# Altium PCB roach2.PcbDoc (part 35 of 39)
Units mil, origin at the board's own origin, x right, y up, seen from the top; angles counter-clockwise.
Board outline 12007.87 x 9606.3 mil, 16 copper layers (L1_TOP, L2_G, L3_S, L4_G, L5_S, L6_P, L7_G, L8_R, L9_R, L10_P, L11_P, L12_S, L13_P, L14_S, L15_G, L16_BOT), stack 81.651 mil thick; 1608 components, 1934 nets, 9335 pads, 6759 vias.
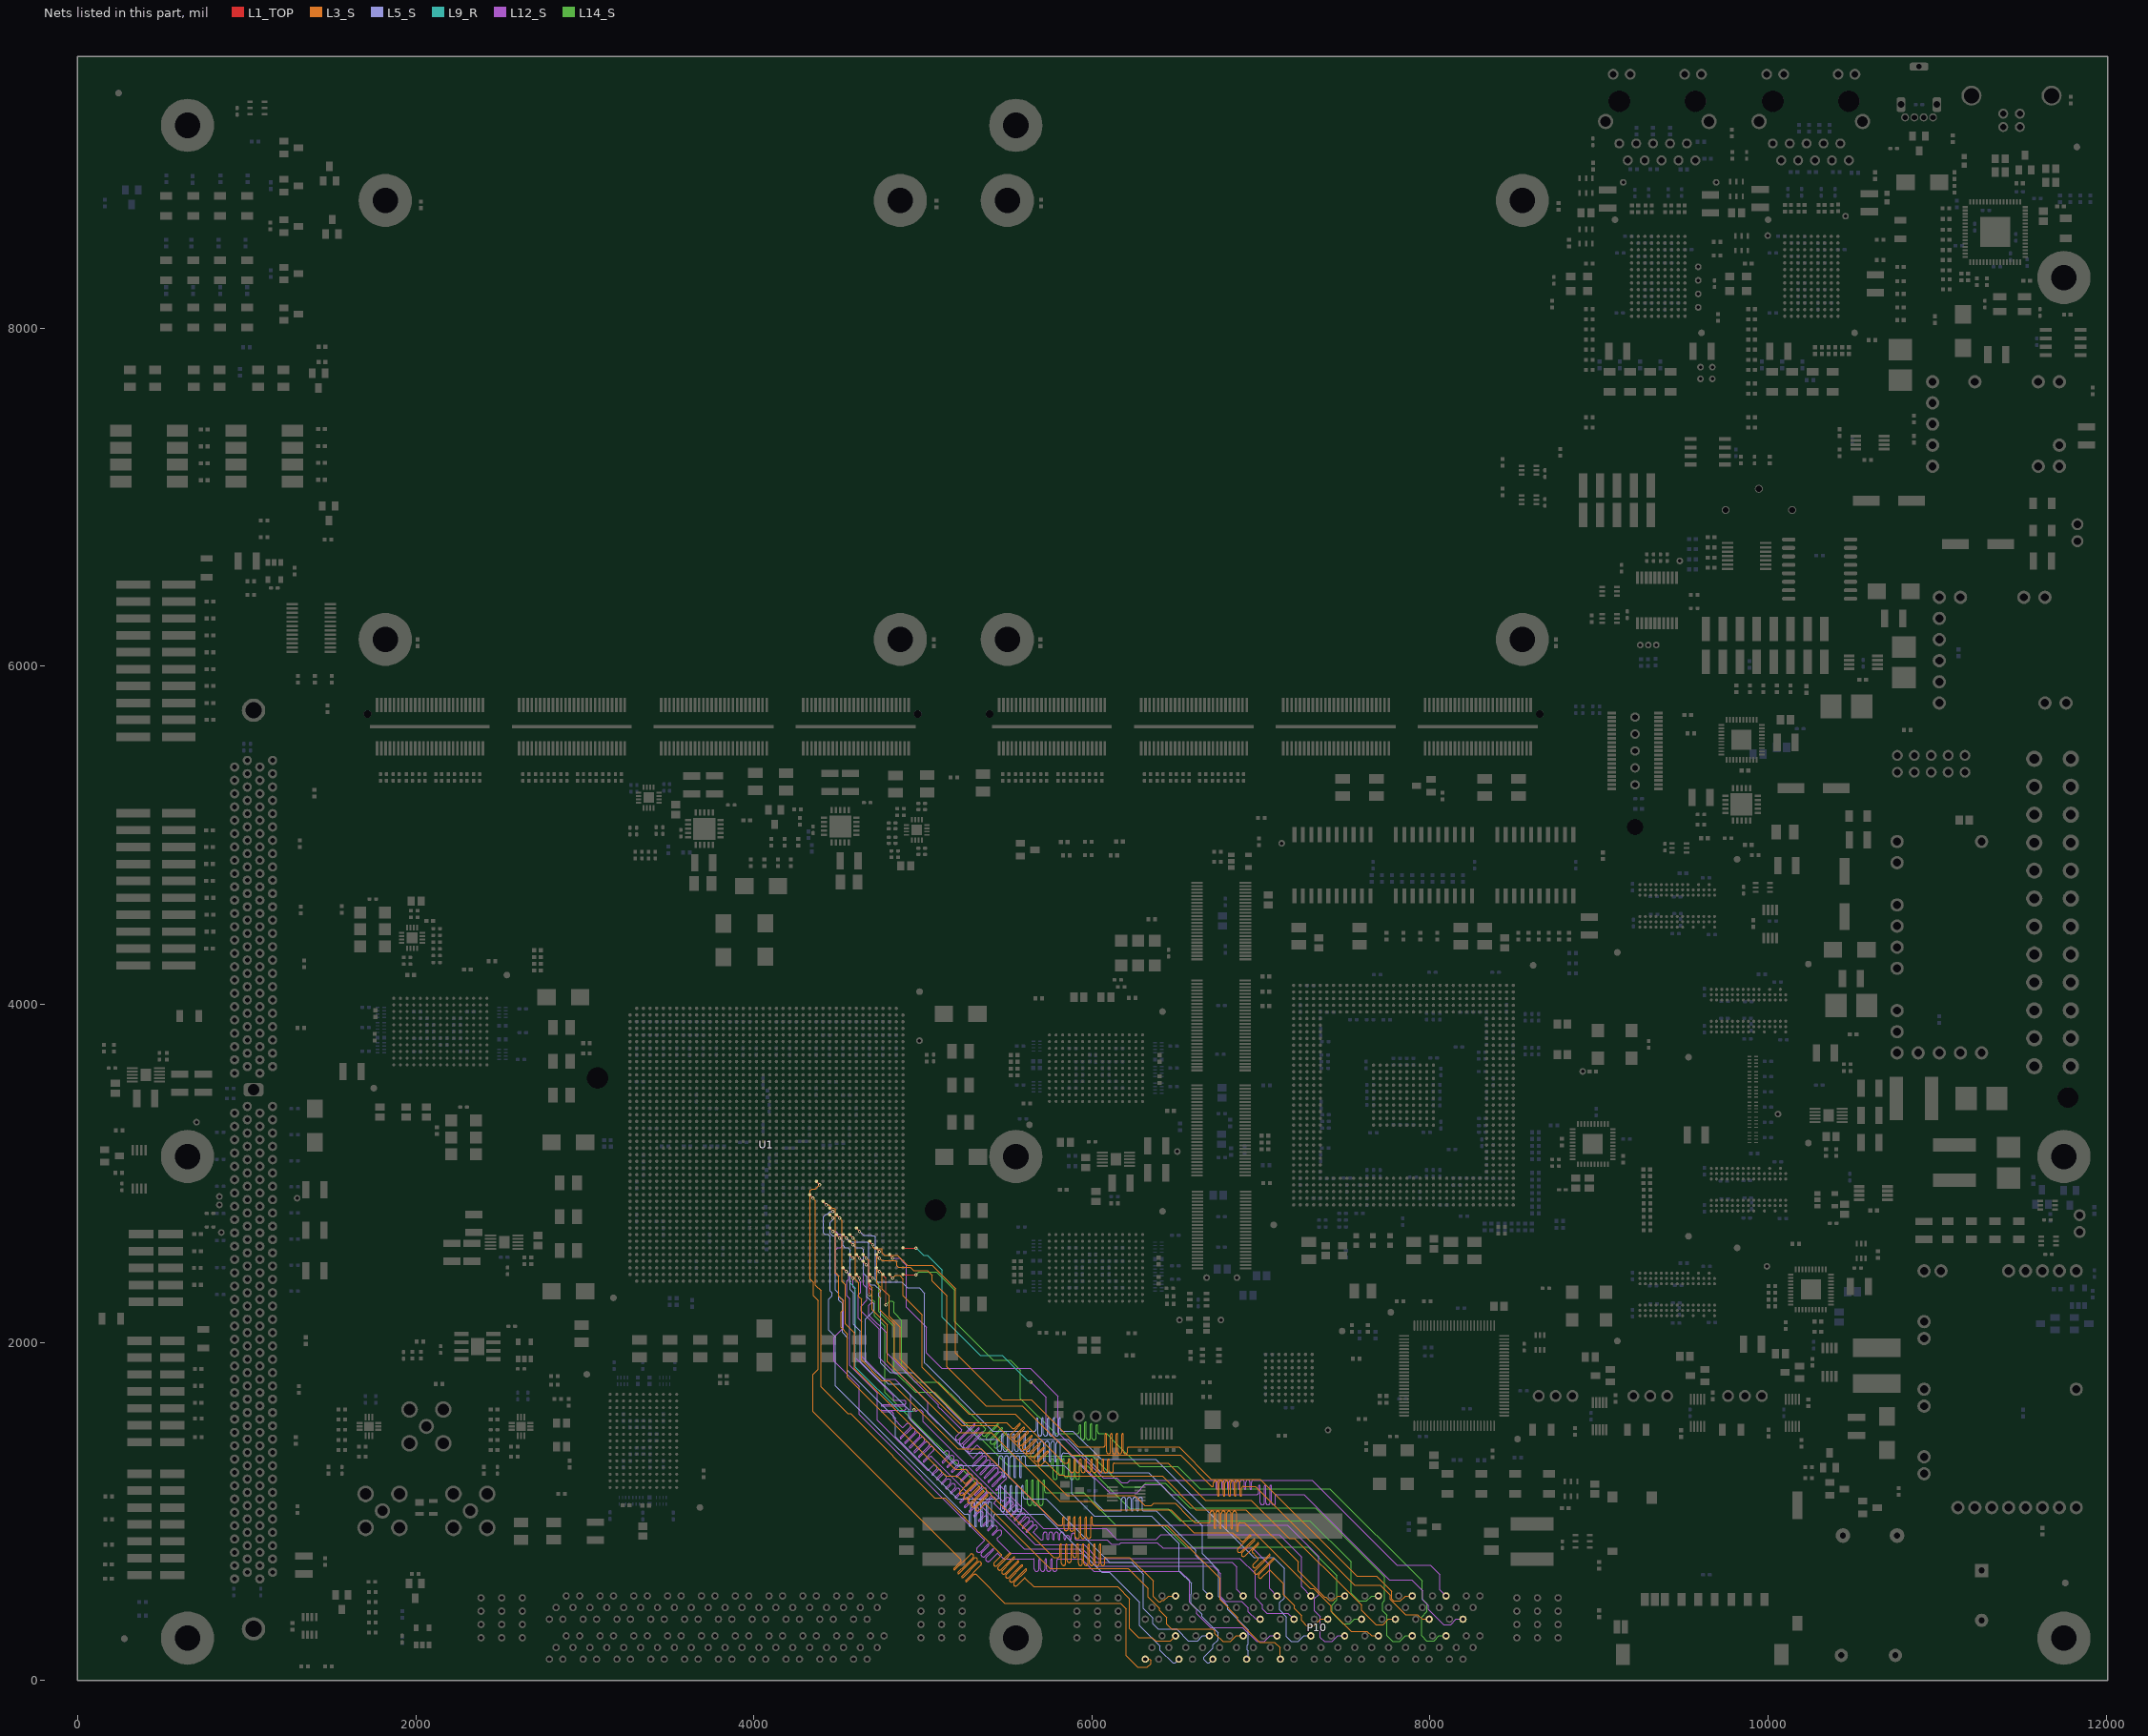
[diagram p49: the nets of this part, all layers, seen from the top]

## Via types
v1: diameter 19.4, hole 10, L1_TOP to L16_BOT, tented both sides, 3354 vias
v2: diameter 19.4, hole 10, L1_TOP to L16_BOT, 1884 vias
v3: diameter 19.4, hole 10, L1_TOP to L16_BOT, tented top, 410 vias
v4: diameter 18.6, hole 10, L1_TOP to L16_BOT, tented both sides, 311 vias
v5: diameter 59.06, hole 39.37, L1_TOP to L16_BOT, 217 vias
v6: diameter 19, hole 10, L1_TOP to L16_BOT, 198 vias
v7: diameter 19.4, hole 10.04, L1_TOP to L16_BOT, 125 vias
v8: diameter 19.4, hole 10, L1_TOP to L16_BOT, tented bottom, 80 vias
v9: diameter 25.98, hole 12.99, L1_TOP to L16_BOT, tented top, 59 vias
v10: diameter 20, hole 10, L1_TOP to L16_BOT, 52 vias
v11: diameter 59.06, hole 39.37, L1_TOP to L16_BOT, tented top, 44 vias
v12: diameter 20, hole 10, L1_TOP to L16_BOT, tented top, 16 vias
v13: diameter 19, hole 10, L1_TOP to L16_BOT, tented top, 5 vias
v14: diameter 50, hole 28, L1_TOP to L16_BOT, 4 vias

## Nets (pads, with @x,y where several pads share a name; then routed paths per layer and width w, separated by ;. In a path a pad name is that pad's centre, name@x,y a point inside that pad or via, vN(x,y) a via of type N, cw(c..) or ccw(c..) an arc to the next point about the centre after c; other vN are vias at no path point) (continued)
ZDOK0.DP_N13: P10.D8 U1.K40 | length 5230.6
  L1_TOP w5: U1.K40@4526.66,2439.41 v1(4546.35,2419.72)
  L12_S w3.8: v1(4546.35,2419.72) 4561.95,2404.12 4561.95,2373.89 4550.43,2362.38 4550.43,2275.47 4565.99,2259.91 4565.99,1864.99 4731.78,1699.21 4731.78,1539.21 5026.75,1244.23 ccw(c5029.86,1247.34) 5032.97,1244.23 5057.96,1269.22 cw(c5068.57,1258.61) 5083.58,1258.61 cw(c5068.57,1258.61) 5079.18,1247.99 5054.2,1223.01 ccw(c5057.31,1219.9) 5054.2,1216.79 ccw(c5057.31,1219.9) 5060.42,1216.79 5085.4,1241.77 cw(c5096.01,1231.16) 5111.02,1231.16 cw(c5096.01,1231.16) 5106.63,1220.55 5081.64,1195.56 ccw(c5084.75,1192.45) 5081.64,1189.34 ccw(c5084.75,1192.45) 5087.86,1189.34 5112.85,1214.33 cw(c5123.46,1203.72) 5138.47,1203.72 cw(c5123.46,1203.72) 5134.07,1193.1 5109.09,1168.12 ccw(c5112.2,1165.01) 5109.09,1161.9 ccw(c5112.2,1165.01) 5115.31,1161.9 5140.29,1186.88 cw(c5150.9,1176.27) 5165.91,1176.27 cw(c5150.9,1176.27) 5161.52,1165.66 5136.53,1140.67 ccw(c5139.64,1137.56) 5136.53,1134.45 ccw(c5139.64,1137.56) 5142.75,1134.45 5167.74,1159.44 cw(c5178.35,1148.83) 5193.36,1148.83 cw(c5178.35,1148.83) 5188.96,1138.21 5163.98,1113.23 ccw(c5167.09,1110.12) 5163.98,1107.01 ccw(c5167.09,1110.12) 5170.2,1107.01 5195.18,1131.99 cw(c5205.8,1121.38) 5220.8,1121.38 cw(c5205.8,1121.38) 5216.41,1110.77 5191.42,1085.78 ccw(c5194.53,1082.67) 5191.42,1079.56 ccw(c5194.53,1082.67) 5197.64,1079.56 5222.63,1104.55 cw(c5233.24,1093.93) 5248.25,1093.93 cw(c5233.24,1093.93) 5243.85,1083.32 5218.87,1058.34 ccw(c5221.98,1055.23) 5218.87,1052.12 ccw(c5221.98,1055.23) 5225.09,1052.12 5250.07,1077.1 cw(c5260.69,1066.49) 5275.69,1066.49 cw(c5260.69,1066.49) 5271.3,1055.88 5246.31,1030.89 ccw(c5249.42,1027.78) 5246.31,1024.67 ccw(c5249.42,1027.78) 5252.53,1024.67 5277.52,1049.66 cw(c5288.13,1039.04) 5303.14,1039.04 cw(c5288.13,1039.04) 5298.74,1028.43 5273.76,1003.45 ccw(c5276.87,1000.34) 5273.76,997.23 ccw(c5276.87,1000.34) 5279.98,997.23 5304.96,1022.21 cw(c5315.58,1011.6) 5330.58,1011.6 cw(c5315.58,1011.6) 5326.19,1000.99 5301.2,976 ccw(c5304.31,972.89) 5301.2,969.78 ccw(c5304.31,972.89) 5307.42,969.78 5332.41,994.77 cw(c5343.02,984.15) 5358.03,984.15 cw(c5343.02,984.15) 5353.63,973.54 5328.65,948.56 ccw(c5331.76,945.45) 5328.65,942.34 ccw(c5331.76,945.45) 5334.87,942.34 5359.85,967.32 cw(c5370.47,956.71) 5385.47,956.71 cw(c5370.47,956.71) 5381.08,946.1 5356.09,921.11 ccw(c5359.2,918) 5356.09,914.89 ccw(c5359.2,918) 5362.32,914.89 5387.3,939.88 cw(c5397.91,929.26) 5412.92,929.26 cw(c5397.91,929.26) 5408.52,918.65 5383.54,893.67 ccw(c5386.65,890.56) 5383.54,887.45 ccw(c5386.65,890.56) 5389.76,887.45 5414.74,912.43 cw(c5425.36,901.82) 5440.36,901.82 cw(c5425.36,901.82) 5435.97,891.21 5410.98,866.22 ccw(c5414.09,863.11) 5410.98,860 ccw(c5414.09,863.11) 5417.21,860 5442.19,884.99 cw(c5452.8,874.37) 5467.81,874.37 cw(c5452.8,874.37) 5463.41,863.76 5438.43,838.78 ccw(c5441.54,835.67) 5438.43,832.56 5517.99,752.99 5941.22,752.99 6018.42,675.79 6716.22,675.79 6760.79,631.22 6760.79,496.22 6789.02,467.99 6886.22,467.99 6925.79,428.42 6925.79,405.19 6968.78,362.2 P10.D8@6995.12,362.2
ZDOK0.DP_N14: P10.D10 U1.H41 | length 5239.4
  L1_TOP w5: U1.H41@4605.4,2400.04 v1(4625.09,2380.35)
  L12_S w3.8: v1(4625.09,2380.35) 4625.09,2362.4 4631.99,2355.49 4631.99,2294.99 4616.99,2279.99 4616.99,2141.99 4636.99,2121.99 4636.99,1917.99 4771.99,1782.99 4833.99,1782.99 4927.28,1689.71 4927.28,1538.71 5118.98,1347 ccw(c5122.09,1350.12) 5125.2,1347 5132.19,1353.99 cw(c5142.8,1343.38) 5157.81,1343.38 cw(c5142.8,1343.38) 5153.41,1332.77 5115.2,1294.56 ccw(c5118.31,1291.45) 5121.42,1288.34 5159.63,1326.55 cw(c5170.24,1315.93) 5185.25,1315.93 cw(c5170.24,1315.93) 5180.86,1305.32 5142.65,1267.11 ccw(c5145.76,1264) 5148.87,1260.89 5187.08,1299.1 cw(c5197.69,1288.49) 5212.7,1288.49 cw(c5197.69,1288.49) 5208.3,1277.88 5170.09,1239.67 ccw(c5173.2,1236.56) 5176.31,1233.45 5214.52,1271.66 cw(c5225.13,1261.04) 5240.14,1261.04 cw(c5225.13,1261.04) 5235.75,1250.43 5197.54,1212.22 ccw(c5200.65,1209.11) 5203.76,1206 5241.97,1244.21 cw(c5252.58,1233.6) 5267.59,1233.6 cw(c5252.58,1233.6) 5263.19,1222.99 5224.98,1184.78 ccw(c5228.09,1181.67) 5231.2,1178.56 5269.41,1216.77 cw(c5280.02,1206.15) 5295.03,1206.15 cw(c5280.02,1206.15) 5290.64,1195.54 5252.43,1157.33 ccw(c5255.54,1154.22) 5258.65,1151.11 5296.86,1189.32 cw(c5307.47,1178.71) 5322.48,1178.71 cw(c5307.47,1178.71) 5318.08,1168.1 5279.87,1129.89 ccw(c5282.98,1126.78) 5286.09,1123.67 5324.3,1161.88 cw(c5334.91,1151.26) 5349.92,1151.26 cw(c5334.91,1151.26) 5345.53,1140.65 5307.32,1102.44 ccw(c5310.43,1099.33) 5313.54,1096.22 5351.75,1134.43 cw(c5362.36,1123.82) 5377.37,1123.82 cw(c5362.36,1123.82) 5372.97,1113.21 5334.76,1075 ccw(c5337.87,1071.89) 5340.98,1068.78 5379.19,1106.99 cw(c5389.81,1096.37) 5404.81,1096.37 cw(c5389.81,1096.37) 5400.42,1085.76 5362.21,1047.55 ccw(c5365.32,1044.44) 5368.43,1041.33 5406.64,1079.54 cw(c5417.25,1068.93) 5432.26,1068.93 cw(c5417.25,1068.93) 5427.86,1058.32 5420.88,1051.33 ccw(c5423.99,1048.22) 5420.88,1045.11 5662.99,802.99 5954.02,802.99 6034.02,722.99 6874.02,722.99 6965.79,631.22 6965.79,490.19 7010.28,445.71 7010.28,421.74 7033.51,398.51 7158.81,398.51 P10.D10@7195.12,362.2
ZDOK0.DP_N15: P10.D12 U1.G38 | length 5253.5
  L1_TOP w5: U1.G38@4644.77,2518.15 v1(4664.46,2498.46)
  L3_S w3.8: v1(4664.46,2498.46) 4664.96,2498.46 4680.43,2482.99 4680.43,2343.53 4700.11,2323.84 4700.11,2193.84 4789.19,2104.76 4789.19,1886.76 5210.76,1465.19 5405.79,1465.19 5810.79,1060.19 5816.13,1060.19 5816.53,1060.59 5829.45,1060.59 5829.85,1060.19 5992.99,1060.19 6045.19,1007.99 6467.99,1007.99 6602.99,872.99 6832.99,872.99 6881.21,824.77 ; 6881.22,824.77 ccw(c6889.85,833.39) 6898.47,824.77 6933.07,859.36 cw(c6936.18,856.25) 6939.28,859.38 ; 6887.42,754.31 ccw(c6896.04,745.69) 6887.42,737.06 ccw(c6896.04,745.69) 6904.67,737.06 6980.02,812.42 cw(c6983.13,809.3) 6986.25,812.42 cw(c6983.13,809.3) 6987.53,809.3 cw(c6983.13,809.3) 6986.25,806.19 6951.65,771.6 ccw(c6960.27,762.97) 6951.65,754.34 6967.99,737.99 6972.09,733.9 6977.96,728.03 ; 6887.42,754.32 6962.77,829.66 ; 6939.3,859.37 cw(c6936.18,856.25) 6940.58,856.25 cw(c6936.18,856.25) 6939.3,853.14 6863.94,777.79 ccw(c6872.57,769.16) 6863.94,760.54 ccw(c6872.57,769.16) 6881.19,760.54 6956.55,835.89 cw(c6959.66,832.78) 6962.77,835.89 cw(c6959.66,832.78) 6964.06,832.78 cw(c6959.66,832.78) 6962.77,829.67 ; 6972.07,669.66 cw(c6963.44,678.29) 6954.81,669.66 cw(c6963.44,678.29) 6954.81,686.92 6983.83,715.93 ccw(c6980.72,719.04) 6985.12,719.04 ccw(c6980.72,719.04) 6983.83,722.15 6977.97,728.02 ; 6972.07,669.67 7047.42,745.02 cw(c7050.53,741.91) 7053.64,745.02 cw(c7050.53,741.91) 7054.93,741.91 cw(c7050.53,741.91) 7053.64,738.79 6963.71,648.86 ccw(c6972.33,640.23) 6963.71,631.6 ccw(c6972.33,640.23) 6980.96,631.6 7070.9,721.54 cw(c7074.01,718.43) 7077.12,721.54 cw(c7074.01,718.43) 7078.41,718.43 cw(c7074.01,718.43) 7077.12,715.32 ; 7077.11,715.31 6987.18,625.38 ccw(c6995.81,616.76) 6987.18,608.13 ccw(c6995.81,616.76) 7004.43,608.13 7048.03,651.73 cw(c7051.14,648.62) 7054.26,651.73 7132.99,572.99 7132.99,507.99 7197.99,442.99 7197.99,425.19 7240.19,382.99 7240.19,354.76 7269.76,325.19 7317.15,325.19 7354.16,362.2 P10.D12@7395.12,362.2
ZDOK0.DP_N16: P10.D14 U1.F42 | length 5257.7
  L1_TOP w5: v2(4684.14,2281.93) U1.F42@4684.14,2360.67
  L14_S w3.8: v2@4685.04,2283.46 4700.99,2267.51 4700.99,2252.96 4712.99,2240.96 4712.99,2157.96 4776.19,2094.76 4776.19,1703.76 5369.76,1110.19 5598.99,1110.19 ccw(c5598.99,1122.39) 5611.19,1122.39 5611.19,1180.7 cw(c5615.59,1180.7) 5619.99,1180.7 5619.99,1047.49 ccw(c5632.19,1047.49) 5644.39,1047.49 5644.39,1180.7 cw(c5648.79,1180.7) 5653.19,1180.7 5653.19,1047.49 ccw(c5665.39,1047.49) 5677.59,1047.49 5677.59,1180.7 cw(c5681.99,1180.7) 5686.39,1180.7 5686.39,1047.49 ccw(c5698.59,1047.49) 5710.79,1047.49 5710.79,1180.7 cw(c5715.19,1180.7) 5719.59,1180.7 5719.59,1122.39 ccw(c5731.79,1122.39) 5731.79,1110.19 5950.79,1110.19 6140.79,920.19 6425.79,920.19 6555.79,790.19 7280.79,790.19 7450.19,620.79 7450.19,476.33 7419.61,445.75 7419.61,400.35 7484.76,335.19 7503.24,335.19 7503.78,334.65 7526.61,334.65 7554.16,362.2 P10.D14@7595.12,362.2
ZDOK0.DP_N17: P10.D16 U1.C41 | length 5269.2
  L1_TOP w5: U1.C41@4802.25,2400.04 v1(4821.94,2380.35)
  L3_S w3.8: v1@4822.84,2381.89 4836.94,2395.99 4861.99,2395.99 4883.99,2373.99 4883.99,2275.99 4995.99,2163.99 4995.99,1851.96 5272.76,1575.19 5545.79,1575.19 5835.79,1285.19 5848.99,1285.19 ccw(c5848.99,1297.39) 5861.19,1297.39 5861.19,1303.99 cw(c5865.59,1303.99) 5869.99,1303.99 5869.99,1241.99 ccw(c5882.19,1241.99) 5894.39,1241.99 5894.39,1303.99 cw(c5898.79,1303.99) 5903.19,1303.99 5903.19,1241.99 ccw(c5915.39,1241.99) 5927.59,1241.99 5927.59,1303.99 cw(c5931.99,1303.99) 5936.39,1303.99 5936.39,1241.99 ccw(c5948.59,1241.99) 5960.79,1241.99 5960.79,1303.99 cw(c5965.19,1303.99) 5969.59,1303.99 5969.59,1241.99 ccw(c5981.79,1241.99) 5993.99,1241.99 5993.99,1303.99 cw(c5998.39,1303.99) 6002.79,1303.99 6002.79,1241.99 ccw(c6014.99,1241.99) 6027.19,1241.99 6027.19,1303.99 cw(c6031.59,1303.99) 6035.99,1303.99 6035.99,1241.99 ccw(c6048.19,1241.99) 6060.39,1241.99 6060.39,1303.99 cw(c6064.79,1303.99) 6069.19,1303.99 6069.19,1241.99 ccw(c6081.39,1241.99) 6093.59,1241.99 6093.59,1303.99 cw(c6097.99,1303.99) 6102.39,1303.99 6102.39,1241.99 ccw(c6114.59,1241.99) 6126.79,1241.99 6126.79,1280.79 cw(c6131.19,1280.79) 6131.19,1285.19 6450.79,1285.19 6670.79,1065.19 6942.99,1065.19 7167.56,840.62 7199.33,840.62 7522.48,517.48 7595.19,444.76 7595.19,414.76 7679.76,330.19 7722.15,330.19 7754.16,362.2 P10.D16@7795.12,362.2
ZDOK0.DP_N18: P10.D18 U1.E38 | length 5271.1
  L1_TOP w5: U1.E38@4723.51,2518.15 v1(4743.2,2498.46)
  L3_S w3.8: v1(4743.2,2498.46) 4758.8,2482.86 4839.12,2482.86 4845.49,2476.49 4845.49,2462.71 4845.71,2462.49 4845.71,2452.63 4854.85,2443.49 4924.45,2443.49 4944.13,2423.81 5028.18,2423.81 5055.22,2396.76 5055.22,2363.99 5143.79,2275.42 5143.79,1854.19 5374.99,1622.99 5589.02,1622.99 5879.02,1332.99 6524.02,1332.99 6708.51,1148.51 6714.99,1148.51 ccw(c6714.99,1152.91) 6719.39,1152.91 6719.39,1167.8 cw(c6731.59,1167.8) 6743.79,1167.8 6743.79,1095.38 ccw(c6748.19,1095.38) 6752.59,1095.38 6752.59,1167.8 cw(c6764.79,1167.8) 6776.99,1167.8 6776.99,1095.38 ccw(c6781.39,1095.38) 6785.79,1095.38 6785.79,1167.8 cw(c6797.99,1167.8) 6810.19,1167.8 6810.19,1095.38 ccw(c6814.59,1095.38) 6818.99,1095.38 6818.99,1167.8 cw(c6831.19,1167.8) 6843.39,1167.8 6843.39,1095.38 ccw(c6847.79,1095.38) 6852.19,1095.38 6852.19,1167.8 cw(c6864.39,1167.8) 6876.59,1167.8 6876.59,1095.38 ccw(c6880.99,1095.38) 6885.39,1095.38 6885.39,1136.31 cw(c6897.59,1136.31) 6897.59,1148.51 6967.48,1148.51 6972.71,1143.27 ; 6972.72,1143.26 7036.03,1079.96 7552.99,562.99 7706.22,562.99 7765.79,503.42 7765.79,477.99 7854.03,389.76 7926.61,389.76 7954.16,362.2 P10.D18@7995.12,362.2
ZDOK0.DP_N19: P10.D20 U1.A37 | length 5248.2
  L1_TOP w5: U1.A37@4880.99,2557.52 4881.89,2557.52 v2(4959.73,2557.52)
  L9_R w3.8: v2@4960.63,2559.06 4960.95,2558.74 5003.78,2515.91 5026.62,2515.91 5113.99,2428.53 5113.99,2147.76 5339.56,1922.19 5469.76,1922.19 5618.96,1772.99 5630.19,1772.99 v2(5637.99,1765.19)
  L12_S w3.8: v2(5637.99,1765.19) 5727.99,1675.19 5727.99,1486.96 6104.76,1110.19 6266.22,1110.19 6313.99,1157.96 6408.02,1157.96 6465.79,1100.19 6974.99,1100.19 ccw(c6974.99,1112.39) 6987.19,1112.39 6987.19,1149.29 cw(c6991.59,1149.29) 6995.99,1149.29 6995.99,1051.18 ccw(c7008.19,1051.18) 7020.39,1051.18 7020.39,1149.29 cw(c7024.79,1149.29) 7029.19,1149.29 7029.19,1051.18 ccw(c7041.39,1051.18) 7053.59,1051.18 7053.59,1149.29 cw(c7057.99,1149.29) 7062.39,1149.29 7062.39,1051.18 ccw(c7074.59,1051.18) 7086.79,1051.18 7086.79,1095.79 cw(c7091.19,1095.79) 7091.19,1100.19 7255.79,1100.19 7760.79,595.19 7892.99,595.19 7957.99,530.19 7957.99,475.19 7990.19,442.99 7990.19,419.76 8079.76,330.19 8122.15,330.19 8154.16,362.2 P10.D20@8195.12,362.2
ZDOK0.DP_N20: P10.C2 U1.R29 | length 5265.7
  L1_TOP w5: U1.R29@4329.81,2872.48 v1(4349.5,2852.79)
  L3_S w3.8: v1(4349.5,2852.79) 4365.47,2836.82 4365.47,2338.49 4397.19,2306.76 4397.19,1736.76 4555.76,1578.19 4571.76,1578.19 5069.76,1080.19 5129.76,1080.19 5376.97,832.98 5464.64,745.31 cw(c5461.53,742.2) 5465.93,742.2 cw(c5461.53,742.2) 5464.64,739.09 5422.27,696.72 ccw(c5430.9,688.09) 5422.27,679.47 ccw(c5430.9,688.09) 5439.53,679.47 5512.51,752.46 ; 5512.52,752.46 cw(c5515.63,749.35) 5518.74,752.46 cw(c5515.63,749.35) 5520.03,749.35 cw(c5515.63,749.35) 5518.74,746.24 5493.99,721.49 5445.75,673.24 ccw(c5454.37,664.62) 5445.75,655.99 ccw(c5454.37,664.62) 5463,655.99 5535.99,728.98 cw(c5539.11,725.87) 5542.22,728.99 cw(c5539.11,725.87) 5543.51,725.87 cw(c5539.11,725.87) 5542.22,722.76 5517.47,698.01 5469.22,649.77 ccw(c5477.85,641.14) 5469.22,632.52 ccw(c5477.85,641.14) 5486.48,632.52 5559.46,705.51 ; 5533.43,585.57 cw(c5524.8,594.19) 5516.17,585.57 cw(c5524.8,594.19) 5516.17,602.82 5589.16,675.81 ccw(c5586.06,678.92) 5590.46,678.92 ccw(c5586.06,678.92) 5589.17,682.04 ccw(c5586.06,678.92) 5582.94,682.04 5509.96,609.05 cw(c5501.32,617.67) 5492.7,609.04 cw(c5501.32,617.67) 5492.7,626.29 5540.93,674.53 5565.69,699.28 ccw(c5562.58,702.4) 5566.98,702.4 ccw(c5562.58,702.4) 5565.69,705.51 ccw(c5562.58,702.4) 5559.47,705.51 ; 5533.43,585.57 5606.41,658.56 ; 5599.27,604.46 5556.91,562.1 cw(c5548.27,570.72) 5539.65,562.09 cw(c5548.27,570.72) 5539.65,579.34 5612.64,652.33 ccw(c5609.53,655.45) 5613.93,655.45 ccw(c5609.53,655.45) 5612.64,658.56 ccw(c5609.53,655.45) 5606.42,658.56 ; 5599.27,604.46 cw(c5602.38,601.35) 5605.49,604.46 5654.76,555.19 6150.79,555.19 6222.99,482.99 6222.99,306.96 6274.98,254.98 6356.01,254.98 6377.99,232.99 6464.13,232.99 P10.C2@6494.92,263.78
ZDOK0.DP_N21: P10.C4 U1.M32 | length 5314.6
  L1_TOP w5: U1.M32@4448.82,2755.91 4467.61,2737.12 v1(4467.61,2734.68)
  L5_S w3.8: v1(4467.61,2734.68) 4467.61,2726.51 4452.01,2710.91 4452.01,2644.65 4464.48,2632.17 4474.07,2632.17 4483.21,2623.04 4483.21,2308.07 4502.89,2288.39 4502.89,2251.46 4523.47,2230.87 4523.47,2057.61 4553.42,2027.67 4553.42,1836.53 4837.99,1551.96 4837.99,1441.96 5204.76,1075.19 5438.99,1075.19 ccw(c5438.99,1087.39) 5451.19,1087.39 5451.19,1147.72 cw(c5455.59,1147.72) 5459.99,1147.72 5459.99,1010.46 ccw(c5472.19,1010.46) 5484.39,1010.46 5484.39,1147.72 cw(c5488.79,1147.72) 5493.19,1147.72 5493.19,1010.46 ccw(c5505.39,1010.46) 5517.59,1010.46 5517.59,1147.72 cw(c5521.99,1147.72) 5526.39,1147.72 5526.39,1010.46 ccw(c5538.59,1010.46) 5550.79,1010.46 5550.79,1147.72 cw(c5555.19,1147.72) 5559.59,1147.72 5559.59,1010.46 ccw(c5571.79,1010.46) 5583.99,1010.46 5583.99,1147.72 cw(c5588.39,1147.72) 5592.79,1147.72 5592.79,1087.39 ccw(c5604.99,1087.39) 5604.99,1075.19 5727.99,1075.19 5730.95,1072.24 5753.59,1049.59 6105.19,697.99 6233.98,697.99 6304.2,627.77 6304.2,424.77 6359.76,369.21 6359.76,335.19 6391.96,302.99 6501.96,302.99 6569.76,235.19 6625.38,235.19 6653.97,263.78 P10.C4@6694.92,263.78
ZDOK0.DP_N22: P10.C6 U1.N30 | length 5259.2
  L1_TOP w5: U1.N30@4408.55,2833.11 v1(4428.24,2813.42)
  L3_S w3.8: v1(4428.24,2813.42) 4444.06,2813.42 4461.99,2795.49 4472.99,2795.49 4483.21,2785.28 4483.21,2410.4 4503.26,2390.35 4503.26,2272.24 4527.03,2248.46 4527.03,2191.06 4516.19,2180.22 4516.19,2164.99 ; 4516.19,2165.56 4516.19,2164.99 ; 5312.62,1162.27 5284.53,1134.18 5243.93,1093.58 ccw(c5252.55,1084.95) 5243.92,1076.32 ccw(c5252.55,1084.95) 5261.18,1076.32 5329.87,1145.02 cw(c5332.99,1141.91) 5336.1,1145.02 cw(c5332.99,1141.91) 5337.39,1141.91 cw(c5332.99,1141.91) 5336.1,1138.8 5308,1110.71 5267.4,1070.11 ccw(c5276.02,1061.48) 5267.4,1052.85 ccw(c5276.02,1061.48) 5284.65,1052.85 5353.35,1121.55 cw(c5356.46,1118.44) 5359.57,1121.55 cw(c5356.46,1118.44) 5360.86,1118.44 cw(c5356.46,1118.44) 5359.57,1115.33 5331.48,1087.23 5290.87,1046.63 ccw(c5299.5,1038) 5290.87,1029.37 ccw(c5299.5,1038) 5308.13,1029.37 5376.82,1098.07 cw(c5379.94,1094.96) 5383.05,1098.07 cw(c5379.94,1094.96) 5384.34,1094.96 cw(c5379.94,1094.96) 5383.05,1091.85 5354.95,1063.76 5314.35,1023.15 ccw(c5322.97,1014.53) 5314.35,1005.9 ccw(c5322.97,1014.53) 5331.6,1005.9 5366.33,1040.63 cw(c5369.44,1037.52) 5372.55,1040.63 5750.19,662.99 6212.99,662.99 6332.99,542.99 6332.99,491.96 6366.3,458.66 6366.37,458.66 6400.19,424.84 6400.19,414.76 6442.48,372.48 6442.48,333.51 6470.28,305.71 6714.25,305.71 6727.48,292.48 ; 5312.62,1162.28 ccw(c5309.51,1165.39) 5313.91,1165.39 ccw(c5309.51,1165.39) 5312.62,1168.5 ccw(c5309.51,1165.39) 5306.4,1168.5 5237.7,1099.8 cw(c5229.07,1108.43) 5220.45,1099.8 cw(c5229.07,1108.43) 5220.45,1117.05 5261.04,1157.65 5289.14,1185.75 ccw(c5286.04,1188.86) 5290.44,1188.86 ccw(c5286.04,1188.86) 5289.15,1191.97 ccw(c5286.04,1188.86) 5282.92,1191.97 5260.69,1169.74 cw(c5252.07,1178.37) 5243.44,1169.74 5224.59,1188.59 5202.99,1210.19 5137.76,1210.19 4554.19,1793.76 4554.19,2050.76 4516.19,2088.76 4516.19,2164.99 ; 6723.58,296.38 6727.48,292.48 ; P10.C6@6894.92,263.78 6853.97,263.78 6820.38,230.19 6774.76,230.19 6727.48,277.48 6727.48,292.48
ZDOK0.DP_N23: P10.C8 U1.M34 | length 5368.5
  L1_TOP w5: U1.M34@4448.82,2677.17 4467.61,2658.38 v1(4467.61,2655.94)
  L12_S w3.8: v1(4467.61,2655.94) 4484.91,2655.94 4500.51,2640.34 4512.6,2640.34 4522.95,2630 4522.95,2571.11 4513.07,2561.23 4497.28,2561.23 4483.58,2547.53 4483.58,2410.03 4503.26,2390.35 4503.26,2272.24 4529.49,2246 4529.49,2085.62 4484.47,2040.61 4474.76,2030.9 4474.76,1888.19 4622.99,1739.96 4622.99,1572.99 5363.23,832.75 cw(c5360.12,829.64) 5364.52,829.64 cw(c5360.12,829.64) 5363.23,826.53 5320.38,783.69 ccw(c5331,773.07) 5341.61,762.46 5384.45,805.31 cw(c5387.56,802.2) 5390.67,805.31 cw(c5387.56,802.2) 5391.96,802.2 cw(c5387.56,802.2) 5390.68,799.09 5347.83,756.24 ccw(c5358.44,745.63) 5369.05,735.02 5411.9,777.86 cw(c5415.01,774.75) 5418.12,777.86 cw(c5415.01,774.75) 5419.41,774.75 cw(c5415.01,774.75) 5418.12,771.64 5375.27,728.8 ccw(c5385.89,718.18) 5396.5,707.57 5439.34,750.42 cw(c5442.45,747.31) 5445.57,750.42 5477.09,718.89 5654.89,718.89 cw(c5654.89,714.49) 5659.29,714.49 5659.29,658.95 ccw(c5672.79,658.95) 5686.29,658.95 5686.29,714.49 cw(c5690.69,714.49) 5695.09,714.49 5695.09,658.95 ccw(c5708.59,658.95) 5722.09,658.95 5722.09,714.49 cw(c5726.49,714.49) 5730.89,714.49 5730.89,658.95 ccw(c5744.39,658.95) 5757.89,658.95 5757.89,714.49 cw(c5762.29,714.49) 5766.69,714.49 5766.69,658.95 ccw(c5780.19,658.95) 5793.69,658.95 5793.69,714.49 cw(c5798.09,714.49) 5798.09,718.89 5937.09,718.89 6010.79,645.19 6522.78,645.19 6577.2,590.77 6577.2,461.77 6619.61,419.36 6619.61,395.35 6701.96,312.99 6891.96,312.99 6974.76,230.19 7020.38,230.19 7053.97,263.78 P10.C8@7094.92,263.78
ZDOK0.DP_N24: P10.C10 U1.H34 | length 5291.4
  L1_TOP w5: U1.H34@4605.4,2675.63 v1(4625.09,2655.94)
  L5_S w3.8: v1(4625.09,2655.94) 4648.49,2632.54 4695.99,2632.54 4696.86,2631.67 4697.37,2632.17 4710.29,2632.17 4719.8,2622.67 4719.8,2370.66 4733.51,2356.95 4874,2356.95 4907.76,2323.19 4977.76,2323.19 5010.48,2290.48 5010.48,1879.05 5017.76,1871.76 5414.33,1475.19 5658.99,1475.19 ccw(c5658.99,1487.39) 5671.19,1487.39 5671.19,1548.14 cw(c5675.59,1548.14) 5679.99,1548.14 5679.99,1458.44 ccw(c5692.19,1458.44) 5704.39,1458.44 5704.39,1548.14 cw(c5708.79,1548.14) 5713.19,1548.14 5713.19,1458.44 ccw(c5725.39,1458.44) 5737.59,1458.44 5737.59,1548.14 cw(c5741.99,1548.14) 5746.39,1548.14 5746.39,1458.44 ccw(c5758.59,1458.44) 5770.79,1458.44 5770.79,1548.14 cw(c5775.19,1548.14) 5779.59,1548.14 5779.59,1458.44 ccw(c5791.79,1458.44) 5803.99,1458.44 5803.99,1548.14 cw(c5808.39,1548.14) 5812.79,1548.14 5812.79,1487.39 ccw(c5824.99,1487.39) 5824.99,1475.19 5887.99,1475.19 5890.95,1472.24 5893.59,1469.59 6055.19,1307.99 6377.99,1307.99 6957.99,727.99 7072.99,727.99 7137.99,662.99 7137.99,489.02 7110.19,461.22 7110.19,415.79 7150.19,375.79 7150.19,259.76 7179.76,230.19 7220.38,230.19 7253.97,263.78 P10.C10@7294.92,263.78